# KiCad board panel.opm-inline.kicad_pcb (continued)
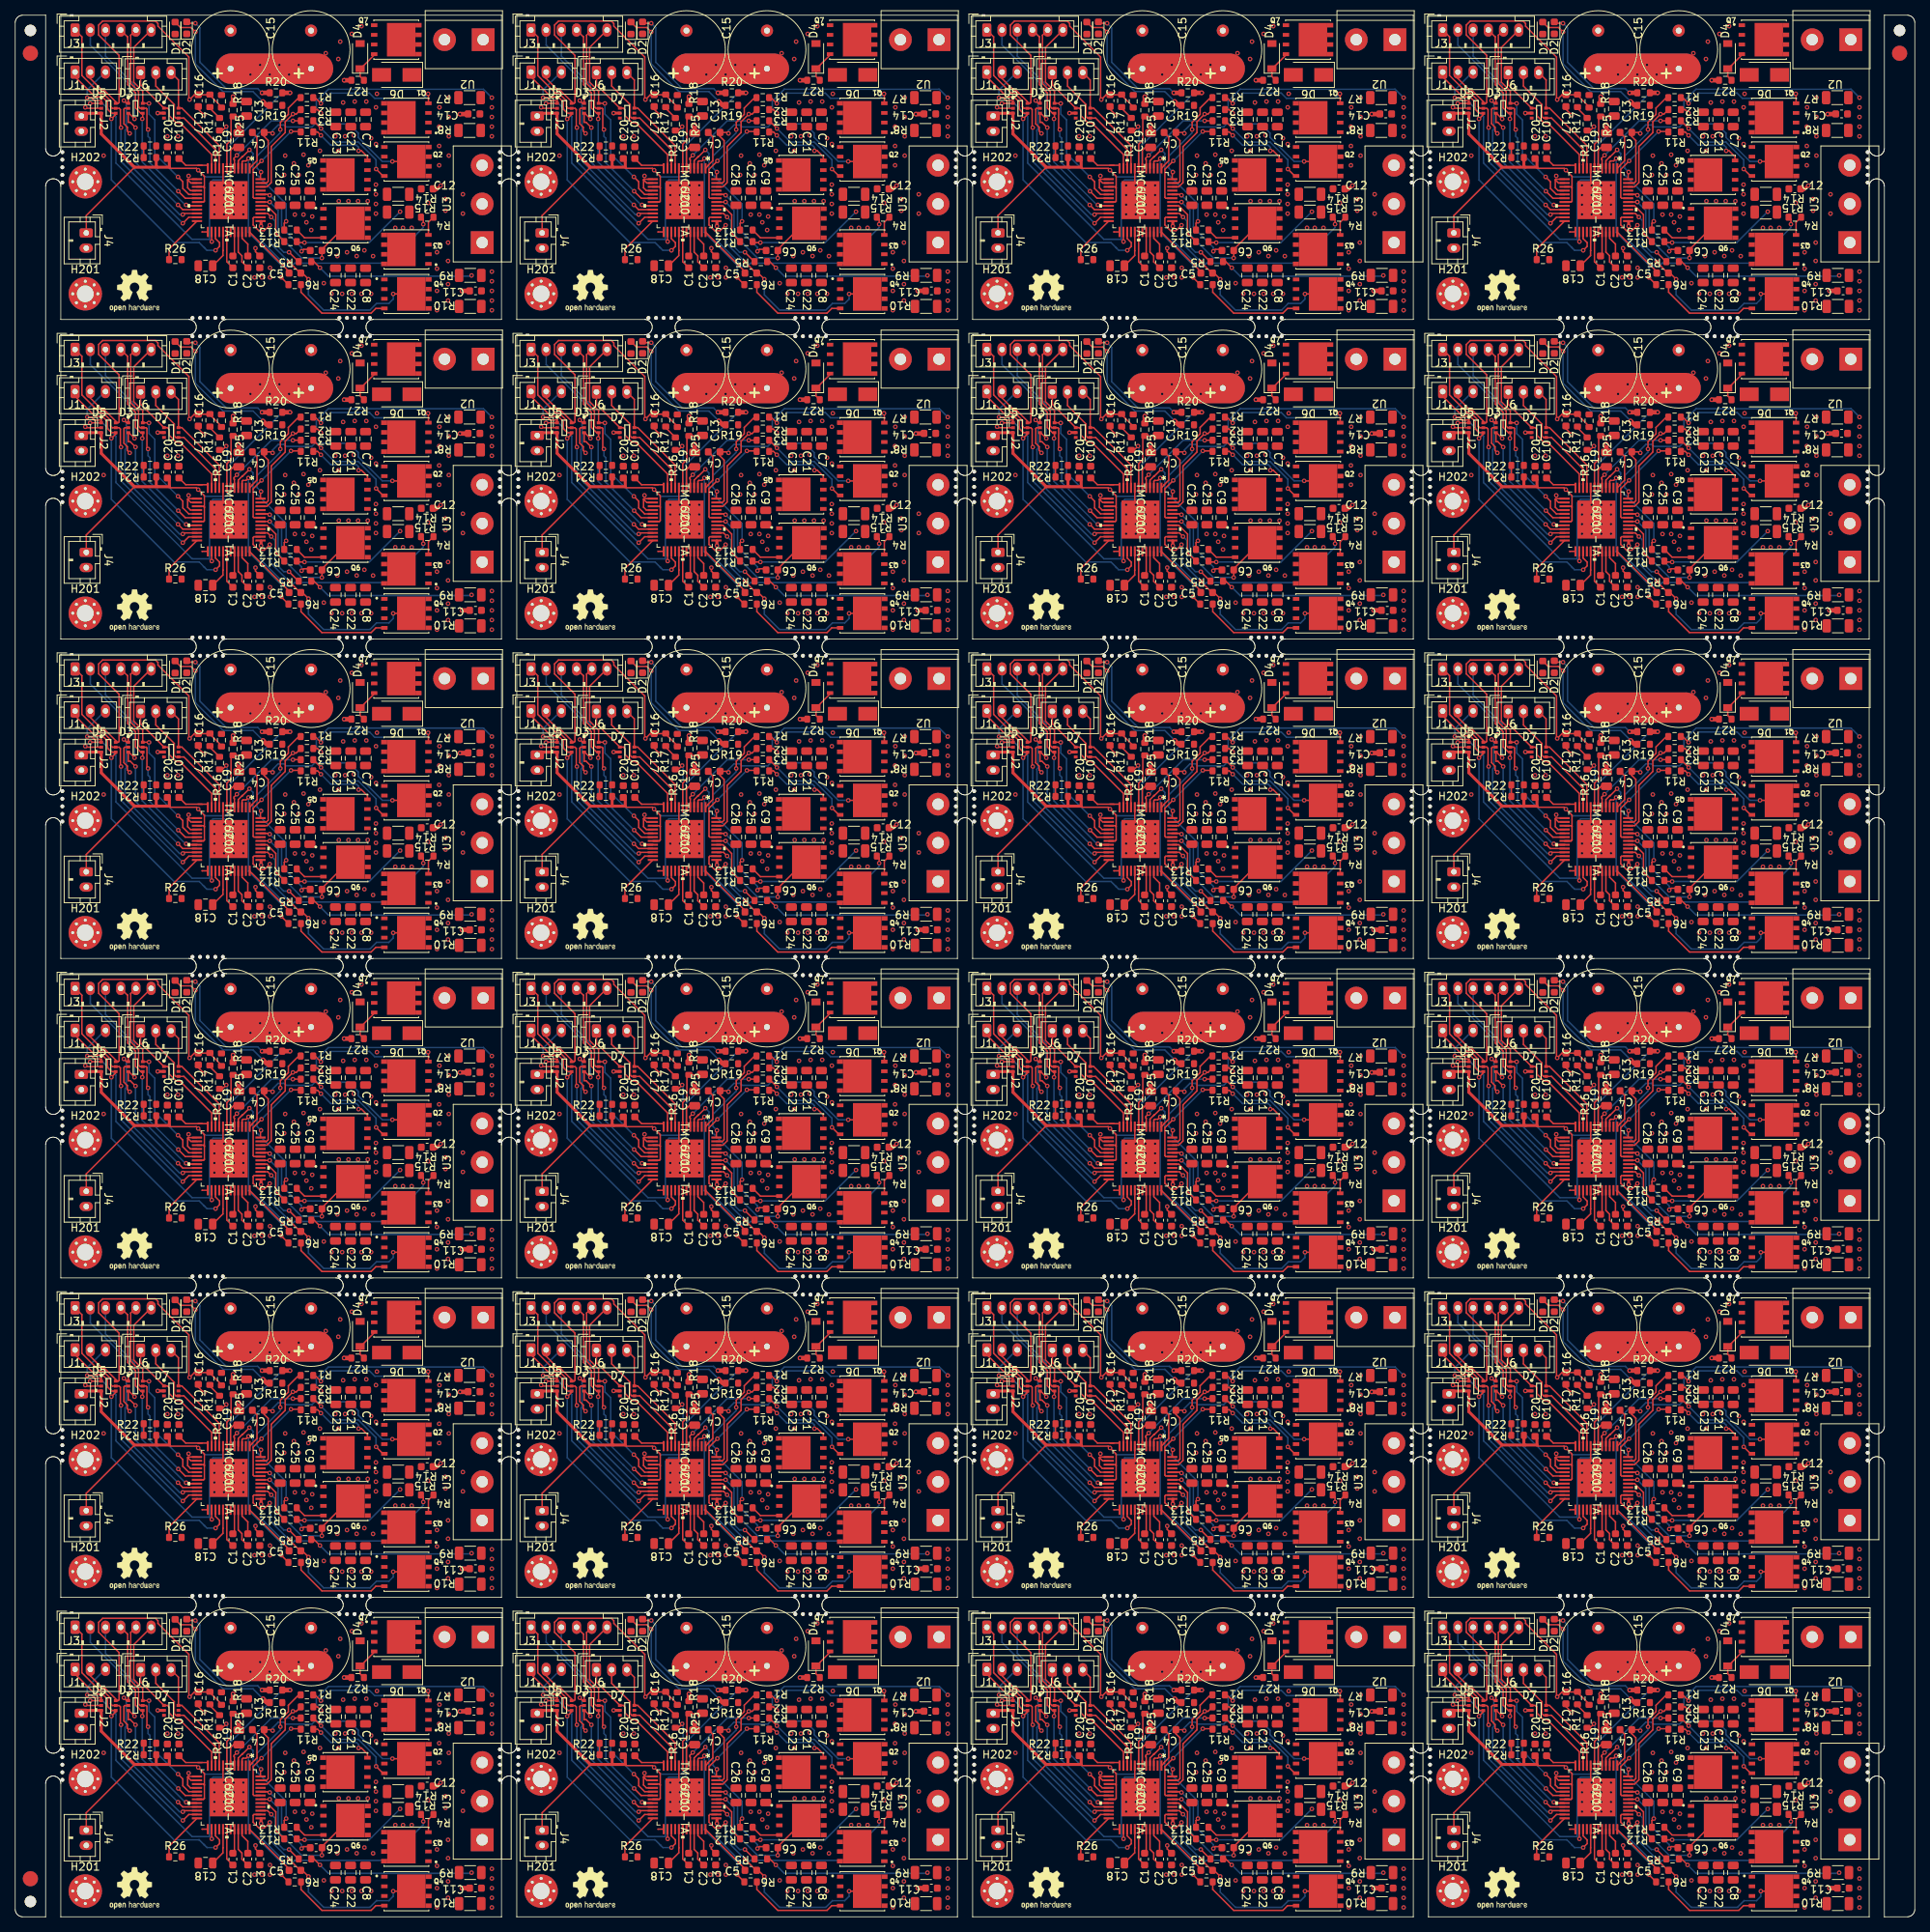
[diagram p0: board, top side]
## Placement (name value [footprint] x y rotation side) (continued)
R21#15  1000R/1%  [R_0603_1608Metric]  197.57 21.29 180 top
R21#16  1000R/1%  [R_0603_1608Metric]  197.57 147.26 180 top
R21#17  1000R/1%  [R_0603_1608Metric]  17.72 189.25 180 top
R21#18  1000R/1%  [R_0603_1608Metric]  197.57 231.24 180 top
R21#19  1000R/1%  [R_0603_1608Metric]  77.67 21.29 180 top
R21#20  1000R/1%  [R_0603_1608Metric]  17.72 21.29 180 top
R21#21  1000R/1%  [R_0603_1608Metric]  137.62 189.25 180 top
R21#22  1000R/1%  [R_0603_1608Metric]  137.62 21.29 180 top
R21#23  1000R/1%  [R_0603_1608Metric]  77.67 231.24 180 top
R21#24  1000R/1%  [R_0603_1608Metric]  17.72 147.26 180 top
R22  0R  [R_0603_1608Metric]  197.57 190.78 0 top
R22#2  0R  [R_0603_1608Metric]  17.72 232.77 0 top
R22#3  0R  [R_0603_1608Metric]  197.57 232.77 0 top
R22#4  0R  [R_0603_1608Metric]  77.67 232.77 0 top
R22#5  0R  [R_0603_1608Metric]  17.72 22.82 0 top
R22#6  0R  [R_0603_1608Metric]  77.67 64.81 0 top
R22#7  0R  [R_0603_1608Metric]  137.62 106.8 0 top
R22#8  0R  [R_0603_1608Metric]  197.57 64.81 0 top
R22#9  0R  [R_0603_1608Metric]  17.72 64.81 0 top
R22#10  0R  [R_0603_1608Metric]  137.62 22.82 0 top
R22#11  0R  [R_0603_1608Metric]  197.57 22.82 0 top
R22#12  0R  [R_0603_1608Metric]  137.62 232.77 0 top
R22#13  0R  [R_0603_1608Metric]  197.57 148.79 0 top
R22#14  0R  [R_0603_1608Metric]  77.67 190.78 0 top
R22#15  0R  [R_0603_1608Metric]  77.67 22.82 0 top
R22#16  0R  [R_0603_1608Metric]  17.72 148.79 0 top
R22#17  0R  [R_0603_1608Metric]  137.62 64.81 0 top
R22#18  0R  [R_0603_1608Metric]  137.62 148.79 0 top
R22#19  0R  [R_0603_1608Metric]  77.67 148.79 0 top
R22#20  0R  [R_0603_1608Metric]  197.57 106.8 0 top
R22#21  0R  [R_0603_1608Metric]  137.62 190.78 0 top
R22#22  0R  [R_0603_1608Metric]  77.67 106.8 0 top
R22#23  0R  [R_0603_1608Metric]  17.72 190.78 0 top
R22#24  0R  [R_0603_1608Metric]  17.72 106.8 0 top
R25  0Ω  [R_0603_1608Metric]  88.6 237.47 90 top
R25#2  0Ω  [R_0603_1608Metric]  148.55 27.51 90 top
R25#3  0Ω  [R_0603_1608Metric]  88.6 69.5 90 top
R25#4  0Ω  [R_0603_1608Metric]  208.5 237.47 90 top
R25#5  0Ω  [R_0603_1608Metric]  88.6 195.47 90 top
R25#6  0Ω  [R_0603_1608Metric]  148.55 237.47 90 top
R25#7  0Ω  [R_0603_1608Metric]  28.65 27.51 90 top
R25#8  0Ω  [R_0603_1608Metric]  28.65 153.48 90 top
R25#9  0Ω  [R_0603_1608Metric]  208.5 111.49 90 top
R25#10  0Ω  [R_0603_1608Metric]  28.65 195.47 90 top
R25#11  0Ω  [R_0603_1608Metric]  28.65 111.49 90 top
R25#12  0Ω  [R_0603_1608Metric]  208.5 195.47 90 top
R25#13  0Ω  [R_0603_1608Metric]  148.55 69.5 90 top
R25#14  0Ω  [R_0603_1608Metric]  28.65 69.5 90 top
R25#15  0Ω  [R_0603_1608Metric]  148.55 195.47 90 top
R25#16  0Ω  [R_0603_1608Metric]  88.6 27.51 90 top
R25#17  0Ω  [R_0603_1608Metric]  88.6 111.49 90 top
R25#18  0Ω  [R_0603_1608Metric]  28.65 237.47 90 top
R25#19  0Ω  [R_0603_1608Metric]  208.5 153.48 90 top
R25#20  0Ω  [R_0603_1608Metric]  208.5 69.5 90 top
R25#21  0Ω  [R_0603_1608Metric]  148.55 111.49 90 top
R25#22  0Ω  [R_0603_1608Metric]  148.55 153.48 90 top
R25#23  0Ω  [R_0603_1608Metric]  208.5 27.51 90 top
R25#24  0Ω  [R_0603_1608Metric]  88.6 153.48 90 top
R26  0R  [R_0603_1608Metric]  21.06 175.84 0 top
R26#2  0R  [R_0603_1608Metric]  21.06 49.87 0 top
R26#3  0R  [R_0603_1608Metric]  200.91 49.87 0 top
R26#4  0R  [R_0603_1608Metric]  200.91 7.88 0 top
R26#5  0R  [R_0603_1608Metric]  21.06 133.85 0 top
R26#6  0R  [R_0603_1608Metric]  81.01 133.85 0 top
R26#7  0R  [R_0603_1608Metric]  140.96 49.87 0 top
R26#8  0R  [R_0603_1608Metric]  140.96 175.84 0 top
R26#9  0R  [R_0603_1608Metric]  81.01 7.88 0 top
R26#10  0R  [R_0603_1608Metric]  81.01 175.84 0 top
R26#11  0R  [R_0603_1608Metric]  140.96 7.88 0 top
R26#12  0R  [R_0603_1608Metric]  21.06 217.83 0 top
R26#13  0R  [R_0603_1608Metric]  81.01 217.83 0 top
R26#14  0R  [R_0603_1608Metric]  21.06 91.86 0 top
R26#15  0R  [R_0603_1608Metric]  140.96 133.85 0 top
R26#16  0R  [R_0603_1608Metric]  200.91 217.83 0 top
R26#17  0R  [R_0603_1608Metric]  140.96 91.86 0 top
R26#18  0R  [R_0603_1608Metric]  200.91 175.84 0 top
R26#19  0R  [R_0603_1608Metric]  140.96 217.83 0 top
R26#20  0R  [R_0603_1608Metric]  200.91 91.86 0 top
R26#21  0R  [R_0603_1608Metric]  81.01 91.86 0 top
R26#22  0R  [R_0603_1608Metric]  21.06 7.88 0 top
R26#23  0R  [R_0603_1608Metric]  200.91 133.85 0 top
R26#24  0R  [R_0603_1608Metric]  81.01 49.87 0 top
R27  100KR  [R_0603_1608Metric]  104.98 73.44 180 top
R27#2  100KR  [R_0603_1608Metric]  224.88 31.45 180 top
R27#3  100KR  [R_0603_1608Metric]  224.88 199.41 180 top
R27#4  100KR  [R_0603_1608Metric]  164.93 157.42 180 top
R27#5  100KR  [R_0603_1608Metric]  224.88 241.4 180 top
R27#6  100KR  [R_0603_1608Metric]  164.93 199.41 180 top
R27#7  100KR  [R_0603_1608Metric]  45.03 157.42 180 top
R27#8  100KR  [R_0603_1608Metric]  45.03 199.41 180 top
R27#9  100KR  [R_0603_1608Metric]  45.03 73.44 180 top
R27#10  100KR  [R_0603_1608Metric]  164.93 115.43 180 top
R27#11  100KR  [R_0603_1608Metric]  224.88 73.44 180 top
R27#12  100KR  [R_0603_1608Metric]  224.88 157.42 180 top
R27#13  100KR  [R_0603_1608Metric]  104.98 241.4 180 top
R27#14  100KR  [R_0603_1608Metric]  45.03 31.45 180 top
R27#15  100KR  [R_0603_1608Metric]  104.98 199.41 180 top
R27#16  100KR  [R_0603_1608Metric]  164.93 241.4 180 top
R27#17  100KR  [R_0603_1608Metric]  104.98 115.43 180 top
R27#18  100KR  [R_0603_1608Metric]  164.93 31.45 180 top
R27#19  100KR  [R_0603_1608Metric]  45.03 115.43 180 top
R27#20  100KR  [R_0603_1608Metric]  45.03 241.4 180 top
R27#21  100KR  [R_0603_1608Metric]  224.88 115.43 180 top
R27#22  100KR  [R_0603_1608Metric]  104.98 157.42 180 top
R27#23  100KR  [R_0603_1608Metric]  104.98 31.45 180 top
R27#24  100KR  [R_0603_1608Metric]  164.93 73.44 180 top
REF**  -  [NPTH]  146.22 42.19 0 top
REF**#2  -  [NPTH]  26.31 123.77 0 top
REF**#3  -  [NPTH]  143.22 210.16 0 top
REF**#4  -  [NPTH]  186.06 186.96 0 top
REF**#5  -  [NPTH]  123.71 230.96 0 top
REF**#6  -  [NPTH]  186.06 185.96 0 top
REF**#7  -  [NPTH]  6.2 103.98 0 top
REF**#8  -  [NPTH]  204.17 84.18 0 top
REF**#9  -  [NPTH]  66.16 146.97 0 top
REF**#10  -  [NPTH]  143.22 123.77 0 top
REF**#11  -  [NPTH]  145.22 207.75 0 top
REF**#12  -  [NPTH]  66.16 187.96 0 top
REF**#13  -  [NPTH]  6.2 146.97 0 top
REF**#14  -  [NPTH]  87.27 42.19 0 top
REF**#15  -  [NPTH]  83.27 210.16 0 top
REF**#16  -  [NPTH]  27.31 168.16 0 top
REF**#17  -  [NPTH]  162.54 81.78 0 top
REF**#18  -  [NPTH]  105.59 123.77 0 top
REF**#19  -  [NPTH]  224.49 81.78 0 top
REF**#20  -  [NPTH]  42.63 81.78 0 top
REF**#21  -  [NPTH]  63.75 185.96 0 top
REF**#22  -  [NPTH]  225.49 84.18 0 top
REF**#23  -  [NPTH]  223.49 126.17 0 top
REF**#24  -  [NPTH]  104.59 81.78 0 top
REF**#25  -  [NPTH]  105.59 165.76 0 top
REF**#26  -  [NPTH]  63.75 229.96 0 top
REF**#27  -  [NPTH]  222.49 81.78 0 top
REF**#28  -  [NPTH]  144.22 207.75 0 top
REF**#29  -  [NPTH]  66.16 231.96 0 top
REF**#30  -  [NPTH]  105.59 84.18 0 top
REF**#31  -  [NPTH]  102.59 42.19 0 top
REF**#32  -  [NPTH]  85.27 84.18 0 top
REF**#33  -  [NPTH]  126.11 105.98 0 top
REF**#34  -  [NPTH]  123.71 227.96 0 top
REF**#35  -  [NPTH]  165.54 210.16 0 top
REF**#36  -  [NPTH]  6.2 102.98 0 top
REF**#37  -  [NPTH]  226.49 168.16 0 top
REF**#38  -  [NPTH]  166.54 210.16 0 top
REF**#39  -  [NPTH]  87.27 210.16 0 top
REF**#40  -  [NPTH]  243.61 144.97 0 top
REF**#41  -  [NPTH]  126.11 144.97 0 top
REF**#42  -  [NPTH]  83.27 39.79 0 top
REF**#43  -  [NPTH]  6.2 18 0 top
REF**#44  -  [NPTH]  26.31 81.78 0 top
REF**#45  -  [NPTH]  83.27 84.18 0 top
REF**#46  -  [NPTH]  102.59 81.78 0 top
REF**#47  -  [NPTH]  223.49 168.16 0 top
REF**#48  -  [NPTH]  104.59 123.77 0 top
REF**#49  -  [NPTH]  183.66 143.97 0 top
REF**#50  -  [NPTH]  226.49 84.18 0 top
REF**#51  -  [NPTH]  165.54 126.17 0 top
REF**#52  -  [NPTH]  144.22 123.77 0 top
REF**#53  -  [NPTH]  63.75 59.99 0 top
REF**#54  -  [NPTH]  106.59 84.18 0 top
REF**#55  -  [NPTH]  186.06 105.98 0 top
REF**#56  -  [NPTH]  103.59 81.78 0 top
REF**#57  -  [NPTH]  87.27 81.78 0 top
REF**#58  -  [NPTH]  66.16 185.96 0 top
REF**#59  -  [NPTH]  147.22 165.76 0 top
REF**#60  -  [NPTH]  186.06 144.97 0 top
REF**#61  -  [NPTH]  126.11 227.96 0 top
REF**#62  -  [NPTH]  66.16 105.98 0 top
REF**#63  -  [NPTH]  162.54 207.75 0 top
REF**#64  -  [NPTH]  183.66 101.98 0 top
REF**#65  -  [NPTH]  243.61 103.98 0 top
REF**#66  -  [NPTH]  243.61 147.97 0 top
REF**#67  -  [NPTH]  123.71 147.97 0 top
REF**#68  -  [NPTH]  123.71 102.98 0 top
REF**#69  -  [NPTH]  123.71 145.97 0 top
REF**#70  -  [NPTH]  146.22 168.16 0 top
REF**#71  -  [NPTH]  63.75 22 0 top
REF**#72  -  [NPTH]  203.17 84.18 0 top
REF**#73  -  [NPTH]  27.31 84.18 0 top
REF**#74  -  [NPTH]  126.11 63.99 0 top
REF**#75  -  [NPTH#2]  2 2 0 top
REF**#76  -  [NPTH]  83.27 42.19 0 top
REF**#77  -  [NPTH]  226.49 165.76 0 top
REF**#78  -  [NPTH]  163.54 126.17 0 top
REF**#79  -  [NPTH]  66.16 230.96 0 top
REF**#80  -  [NPTH]  224.49 39.79 0 top
REF**#81  -  [NPTH]  243.61 104.98 0 top
REF**#82  -  [NPTH]  66.16 188.96 0 top
REF**#83  -  [NPTH]  85.27 210.16 0 top
REF**#84  -  [NPTH]  164.54 42.19 0 top
REF**#85  -  [NPTH]  106.59 81.78 0 top
REF**#86  -  [NPTH]  183.66 229.96 0 top
REF**#87  -  [NPTH]  243.61 229.96 0 top
REF**#88  -  [NPTH]  146.22 123.77 0 top
REF**#89  -  [NPTH]  186.06 21 0 top
REF**#90  -  [NPTH]  45.63 42.19 0 top
REF**#91  -  [NPTH#2]  2 247.95 0 top
REF**#92  -  [NPTH]  84.27 81.78 0 top
REF**#93  -  [NPTH]  147.22 81.78 0 top
REF**#94  -  [NPTH]  165.54 81.78 0 top
REF**#95  -  [NPTH]  163.54 123.77 0 top
REF**#96  -  [NPTH]  163.54 165.76 0 top
REF**#97  -  [NPTH]  164.54 123.77 0 top
REF**#98  -  [NPTH]  103.59 168.16 0 top
REF**#99  -  [NPTH]  126.11 147.97 0 top
REF**#100  -  [NPTH]  126.11 61.99 0 top
REF**#101  -  [NPTH]  207.17 42.19 0 top
REF**#102  -  [NPTH]  123.71 143.97 0 top
REF**#103  -  [NPTH]  164.54 81.78 0 top
REF**#104  -  [NPTH]  6.2 227.96 0 top
REF**#105  -  [NPTH]  164.54 39.79 0 top
REF**#106  -  [NPTH]  63.75 230.96 0 top
REF**#107  -  [NPTH]  206.17 165.76 0 top
REF**#108  -  [NPTH]  243.61 61.99 0 top
REF**#109  -  [NPTH]  25.31 42.19 0 top
REF**#110  -  [NPTH]  25.31 165.76 0 top
REF**#111  -  [NPTH]  146.22 81.78 0 top
REF**#112  -  [NPTH]  43.63 84.18 0 top
REF**#113  -  [NPTH]  183.66 63.99 0 top
REF**#114  -  [NPTH]  63.75 62.99 0 top
REF**#115  -  [NPTH]  42.63 168.16 0 top
REF**#116  -  [NPTH]  206.17 126.17 0 top
REF**#117  -  [NPTH]  6.2 231.96 0 top
REF**#118  -  [NPTH]  63.75 104.98 0 top
REF**#119  -  [NPTH]  207.17 210.16 0 top
REF**#120  -  [NPTH]  147.22 123.77 0 top
REF**#121  -  [NPTH]  87.27 84.18 0 top
REF**#122  -  [NPTH]  84.27 42.19 0 top
REF**#123  -  [NPTH]  243.61 188.96 0 top
REF**#124  -  [NPTH]  223.49 84.18 0 top
REF**#125  -  [NPTH]  223.49 123.77 0 top
REF**#126  -  [NPTH]  87.27 165.76 0 top
REF**#127  -  [NPTH]  145.22 84.18 0 top
REF**#128  -  [NPTH]  46.63 165.76 0 top
REF**#129  -  [NPTH]  162.54 126.17 0 top
REF**#130  -  [NPTH]  163.54 210.16 0 top
REF**#131  -  [NPTH]  42.63 42.19 0 top
REF**#132  -  [NPTH]  24.31 207.75 0 top
REF**#133  -  [NPTH]  147.22 168.16 0 top
REF**#134  -  [NPTH]  186.06 63.99 0 top
REF**#135  -  [NPTH]  126.11 104.98 0 top
REF**#136  -  [NPTH]  165.54 168.16 0 top
REF**#137  -  [NPTH]  223.49 207.75 0 top
REF**#138  -  [NPTH]  186.06 228.96 0 top
REF**#139  -  [NPTH]  105.59 168.16 0 top
REF**#140  -  [NPTH]  106.59 126.17 0 top
REF**#141  -  [NPTH]  126.11 146.97 0 top
REF**#142  -  [NPTH]  243.61 22 0 top
REF**#143  -  [NPTH]  44.63 126.17 0 top
REF**#144  -  [NPTH]  147.22 42.19 0 top
REF**#145  -  [NPTH]  42.63 39.79 0 top
REF**#146  -  [NPTH]  102.59 168.16 0 top
REF**#147  -  [NPTH]  145.22 165.76 0 top
REF**#148  -  [NPTH]  243.61 189.96 0 top
REF**#149  -  [NPTH]  6.2 101.98 0 top
REF**#150  -  [NPTH]  44.63 42.19 0 top
REF**#151  -  [NPTH]  87.27 168.16 0 top
REF**#152  -  [NPTH]  123.71 19 0 top
REF**#153  -  [NPTH]  205.17 207.75 0 top
REF**#154  -  [NPTH]  166.54 165.76 0 top
REF**#155  -  [NPTH]  186.06 229.96 0 top
REF**#156  -  [NPTH]  205.17 84.18 0 top
REF**#157  -  [NPTH]  103.59 126.17 0 top
REF**#158  -  [NPTH]  243.61 101.98 0 top
REF**#159  -  [NPTH]  146.22 84.18 0 top
REF**#160  -  [NPTH]  243.61 18 0 top
REF**#161  -  [NPTH]  204.17 210.16 0 top
REF**#162  -  [NPTH]  205.17 81.78 0 top
REF**#163  -  [NPTH]  86.27 168.16 0 top
REF**#164  -  [NPTH#2]  247.8 247.95 0 top
REF**#165  -  [NPTH]  186.06 19 0 top
REF**#166  -  [NPTH]  24.31 165.76 0 top
REF**#167  -  [NPTH]  66.16 18 0 top
REF**#168  -  [NPTH]  123.71 231.96 0 top
REF**#169  -  [NPTH]  224.49 168.16 0 top
REF**#170  -  [NPTH]  23.31 207.75 0 top
REF**#171  -  [NPTH]  102.59 165.76 0 top
REF**#172  -  [NPTH]  66.16 227.96 0 top
REF**#173  -  [NPTH]  43.63 165.76 0 top
REF**#174  -  [NPTH]  6.2 186.96 0 top
REF**#175  -  [NPTH]  87.27 123.77 0 top
REF**#176  -  [NPTH]  104.59 126.17 0 top
REF**#177  -  [NPTH]  66.16 147.97 0 top
REF**#178  -  [NPTH]  66.16 19 0 top
REF**#179  -  [NPTH]  163.54 168.16 0 top
REF**#180  -  [NPTH]  183.66 230.96 0 top
REF**#181  -  [NPTH]  126.11 186.96 0 top
REF**#182  -  [NPTH]  6.2 20 0 top
REF**#183  -  [NPTH]  6.2 61.99 0 top
REF**#184  -  [NPTH]  144.22 39.79 0 top
REF**#185  -  [NPTH]  183.66 59.99 0 top
REF**#186  -  [NPTH]  84.27 126.17 0 top
REF**#187  -  [NPTH]  163.54 81.78 0 top
REF**#188  -  [NPTH]  85.27 81.78 0 top
REF**#189  -  [NPTH]  186.06 231.96 0 top
REF**#190  -  [NPTH]  83.27 123.77 0 top
REF**#191  -  [NPTH]  225.49 210.16 0 top
REF**#192  -  [NPTH]  6.2 105.98 0 top
REF**#193  -  [NPTH]  224.49 165.76 0 top
REF**#194  -  [NPTH]  166.54 207.75 0 top
REF**#195  -  [NPTH]  186.06 61.99 0 top
REF**#196  -  [NPTH]  146.22 207.75 0 top
REF**#197  -  [NPTH]  186.06 101.98 0 top
REF**#198  -  [NPTH]  123.71 20 0 top
REF**#199  -  [NPTH]  86.27 207.75 0 top
REF**#200  -  [NPTH]  63.75 19 0 top
REF**#201  -  [NPTH]  104.59 207.75 0 top
REF**#202  -  [NPTH]  204.17 207.75 0 top
REF**#203  -  [NPTH]  66.16 144.97 0 top
REF**#204  -  [NPTH]  25.31 210.16 0 top
REF**#205  -  [NPTH]  6.2 144.97 0 top
REF**#206  -  [NPTH]  223.49 81.78 0 top
REF**#207  -  [NPTH]  63.75 20 0 top
REF**#208  -  [NPTH]  126.11 188.96 0 top
REF**#209  -  [NPTH]  26.31 126.17 0 top
REF**#210  -  [NPTH]  106.59 165.76 0 top
REF**#211  -  [NPTH]  164.54 126.17 0 top
REF**#212  -  [NPTH]  243.61 230.96 0 top
REF**#213  -  [NPTH]  44.63 168.16 0 top
REF**#214  -  [NPTH]  226.49 210.16 0 top
REF**#215  -  [NPTH]  23.31 42.19 0 top
REF**#216  -  [Fiducial]  247.8 244.95 0 top
REF**#217  -  [NPTH]  143.22 39.79 0 top
REF**#218  -  [NPTH]  165.54 42.19 0 top
REF**#219  -  [NPTH]  162.54 165.76 0 top
REF**#220  -  [NPTH]  183.66 19 0 top
REF**#221  -  [NPTH]  45.63 123.77 0 top
REF**#222  -  [NPTH]  223.49 39.79 0 top
REF**#223  -  [NPTH]  26.31 207.75 0 top
REF**#224  -  [NPTH]  66.16 145.97 0 top
REF**#225  -  [NPTH]  44.63 207.75 0 top
REF**#226  -  [NPTH]  25.31 168.16 0 top
REF**#227  -  [NPTH]  225.49 168.16 0 top
REF**#228  -  [NPTH]  203.17 39.79 0 top
REF**#229  -  [NPTH]  84.27 123.77 0 top
REF**#230  -  [NPTH]  23.31 168.16 0 top
REF**#231  -  [NPTH]  224.49 210.16 0 top
REF**#232  -  [NPTH]  203.17 123.77 0 top
REF**#233  -  [NPTH]  183.66 145.97 0 top
REF**#234  -  [NPTH]  166.54 126.17 0 top
REF**#235  -  [NPTH]  106.59 39.79 0 top
REF**#236  -  [NPTH]  126.11 19 0 top
REF**#237  -  [NPTH]  207.17 126.17 0 top
REF**#238  -  [NPTH]  123.71 21 0 top
REF**#239  -  [NPTH]  225.49 126.17 0 top
REF**#240  -  [NPTH]  143.22 42.19 0 top
REF**#241  -  [NPTH]  103.59 39.79 0 top
REF**#242  -  [NPTH]  104.59 84.18 0 top
REF**#243  -  [NPTH]  102.59 84.18 0 top
REF**#244  -  [NPTH]  105.59 81.78 0 top
REF**#245  -  [NPTH]  105.59 210.16 0 top
REF**#246  -  [NPTH]  46.63 207.75 0 top
REF**#247  -  [NPTH]  186.06 230.96 0 top
REF**#248  -  [NPTH]  45.63 126.17 0 top
REF**#249  -  [NPTH]  243.61 186.96 0 top
REF**#250  -  [NPTH]  226.49 207.75 0 top
REF**#251  -  [NPTH]  186.06 18 0 top
REF**#252  -  [NPTH]  106.59 123.77 0 top
REF**#253  -  [NPTH]  86.27 126.17 0 top
REF**#254  -  [NPTH]  126.11 18 0 top
REF**#255  -  [NPTH]  205.17 210.16 0 top
REF**#256  -  [NPTH]  42.63 207.75 0 top
REF**#257  -  [NPTH]  146.22 165.76 0 top
REF**#258  -  [NPTH]  207.17 207.75 0 top
REF**#259  -  [NPTH]  104.59 39.79 0 top
REF**#260  -  [NPTH]  42.63 126.17 0 top
REF**#261  -  [NPTH]  226.49 39.79 0 top
REF**#262  -  [NPTH]  126.11 101.98 0 top
REF**#263  -  [NPTH]  6.2 19 0 top
REF**#264  -  [NPTH]  6.2 147.97 0 top
REF**#265  -  [NPTH]  144.22 42.19 0 top
REF**#266  -  [NPTH]  205.17 126.17 0 top
REF**#267  -  [NPTH]  126.11 60.99 0 top
REF**#268  -  [NPTH]  123.71 144.97 0 top
REF**#269  -  [NPTH]  27.31 165.76 0 top
REF**#270  -  [NPTH]  6.2 229.96 0 top
REF**#271  -  [NPTH]  6.2 189.96 0 top
REF**#272  -  [NPTH]  145.22 123.77 0 top
REF**#273  -  [NPTH]  105.59 126.17 0 top
REF**#274  -  [NPTH]  222.49 210.16 0 top
REF**#275  -  [NPTH]  23.31 123.77 0 top
REF**#276  -  [NPTH]  86.27 84.18 0 top
REF**#277  -  [NPTH]  63.75 186.96 0 top
REF**#278  -  [Fiducial]  2 5 0 top
REF**#279  -  [NPTH]  83.27 168.16 0 top
REF**#280  -  [NPTH]  162.54 123.77 0 top
REF**#281  -  [NPTH]  45.63 168.16 0 top
REF**#282  -  [NPTH]  66.16 63.99 0 top
REF**#283  -  [NPTH]  143.22 84.18 0 top
REF**#284  -  [NPTH]  126.11 20 0 top
REF**#285  -  [NPTH]  165.54 123.77 0 top
REF**#286  -  [NPTH]  243.61 146.97 0 top
REF**#287  -  [NPTH]  6.2 185.96 0 top
REF**#288  -  [NPTH]  186.06 147.97 0 top
REF**#289  -  [NPTH]  183.66 146.97 0 top
REF**#290  -  [NPTH]  84.27 210.16 0 top
REF**#291  -  [NPTH]  147.22 210.16 0 top
REF**#292  -  [NPTH]  63.75 21 0 top
REF**#293  -  [NPTH]  126.11 59.99 0 top
REF**#294  -  [NPTH]  43.63 207.75 0 top
REF**#295  -  [NPTH]  85.27 207.75 0 top
REF**#296  -  [NPTH]  166.54 123.77 0 top
REF**#297  -  [NPTH]  66.16 143.97 0 top
REF**#298  -  [NPTH]  186.06 62.99 0 top
REF**#299  -  [NPTH]  183.66 188.96 0 top
REF**#300  -  [NPTH]  123.71 188.96 0 top
REF**#301  -  [NPTH]  46.63 168.16 0 top
REF**#302  -  [NPTH]  87.27 126.17 0 top
REF**#303  -  [NPTH]  206.17 81.78 0 top
REF**#304  -  [NPTH]  205.17 168.16 0 top
REF**#305  -  [NPTH]  123.71 228.96 0 top
REF**#306  -  [NPTH]  203.17 81.78 0 top
REF**#307  -  [NPTH]  222.49 165.76 0 top
REF**#308  -  [NPTH]  66.16 228.96 0 top
REF**#309  -  [NPTH]  186.06 145.97 0 top
REF**#310  -  [NPTH]  145.22 210.16 0 top
REF**#311  -  [NPTH]  42.63 210.16 0 top
REF**#312  -  [NPTH]  204.17 168.16 0 top
REF**#313  -  [NPTH]  243.61 187.96 0 top
REF**#314  -  [NPTH]  123.71 59.99 0 top
REF**#315  -  [NPTH]  126.11 185.96 0 top
REF**#316  -  [NPTH]  26.31 168.16 0 top
REF**#317  -  [NPTH]  126.11 145.97 0 top
REF**#318  -  [NPTH]  103.59 210.16 0 top
REF**#319  -  [NPTH]  207.17 39.79 0 top
REF**#320  -  [NPTH]  104.59 210.16 0 top
REF**#321  -  [NPTH]  162.54 84.18 0 top
REF**#322  -  [NPTH]  86.27 123.77 0 top
REF**#323  -  [NPTH]  103.59 84.18 0 top
REF**#324  -  [NPTH]  183.66 60.99 0 top
REF**#325  -  [NPTH]  186.06 103.98 0 top
REF**#326  -  [NPTH]  226.49 126.17 0 top
REF**#327  -  [NPTH]  27.31 126.17 0 top
REF**#328  -  [NPTH]  27.31 42.19 0 top
REF**#329  -  [NPTH]  186.06 104.98 0 top
REF**#330  -  [NPTH]  206.17 39.79 0 top
REF**#331  -  [NPTH]  183.66 187.96 0 top
REF**#332  -  [NPTH]  123.71 189.96 0 top
REF**#333  -  [NPTH]  104.59 165.76 0 top
REF**#334  -  [NPTH]  63.75 146.97 0 top
REF**#335  -  [NPTH]  183.66 186.96 0 top
REF**#336  -  [NPTH]  42.63 123.77 0 top
REF**#337  -  [NPTH]  46.63 123.77 0 top
REF**#338  -  [NPTH]  66.16 22 0 top
REF**#339  -  [NPTH]  145.22 42.19 0 top
REF**#340  -  [NPTH]  144.22 84.18 0 top
REF**#341  -  [NPTH]  243.61 105.98 0 top
REF**#342  -  [NPTH]  83.27 126.17 0 top
REF**#343  -  [NPTH]  166.54 81.78 0 top
REF**#344  -  [NPTH]  243.61 19 0 top
REF**#345  -  [NPTH]  145.22 39.79 0 top
REF**#346  -  [NPTH]  23.31 39.79 0 top
REF**#347  -  [NPTH]  186.06 146.97 0 top
REF**#348  -  [NPTH]  85.27 165.76 0 top
REF**#349  -  [NPTH]  206.17 210.16 0 top
REF**#350  -  [NPTH]  183.66 227.96 0 top
REF**#351  -  [NPTH]  44.63 123.77 0 top
REF**#352  -  [NPTH]  66.16 102.98 0 top
REF**#353  -  [NPTH]  44.63 39.79 0 top
REF**#354  -  [NPTH]  6.2 104.98 0 top
REF**#355  -  [NPTH]  222.49 39.79 0 top
REF**#356  -  [NPTH]  164.54 207.75 0 top
REF**#357  -  [NPTH]  126.11 230.96 0 top
REF**#358  -  [NPTH]  222.49 123.77 0 top
REF**#359  -  [NPTH]  84.27 207.75 0 top
REF**#360  -  [NPTH]  24.31 210.16 0 top
REF**#361  -  [NPTH]  87.27 39.79 0 top
REF**#362  -  [NPTH]  226.49 42.19 0 top
REF**#363  -  [NPTH]  207.17 165.76 0 top
REF**#364  -  [NPTH]  45.63 81.78 0 top
REF**#365  -  [NPTH]  66.16 61.99 0 top
REF**#366  -  [NPTH]  165.54 39.79 0 top
REF**#367  -  [NPTH]  45.63 39.79 0 top
REF**#368  -  [NPTH]  6.2 59.99 0 top
REF**#369  -  [NPTH]  86.27 42.19 0 top
REF**#370  -  [NPTH]  243.61 59.99 0 top
REF**#371  -  [NPTH]  66.16 229.96 0 top
REF**#372  -  [NPTH]  102.59 126.17 0 top
REF**#373  -  [NPTH]  204.17 123.77 0 top
REF**#374  -  [NPTH]  24.31 123.77 0 top
REF**#375  -  [NPTH]  46.63 126.17 0 top
REF**#376  -  [NPTH]  103.59 42.19 0 top
REF**#377  -  [NPTH]  85.27 168.16 0 top
REF**#378  -  [NPTH]  24.31 39.79 0 top
REF**#379  -  [NPTH]  6.2 21 0 top
REF**#380  -  [NPTH]  126.11 62.99 0 top
REF**#381  -  [NPTH]  147.22 207.75 0 top
REF**#382  -  [NPTH]  45.63 84.18 0 top
REF**#383  -  [NPTH]  103.59 165.76 0 top
REF**#384  -  [NPTH]  25.31 126.17 0 top
REF**#385  -  [NPTH]  143.22 81.78 0 top
REF**#386  -  [NPTH]  186.06 189.96 0 top
REF**#387  -  [NPTH]  144.22 210.16 0 top
REF**#388  -  [NPTH]  6.2 60.99 0 top
REF**#389  -  [NPTH]  144.22 165.76 0 top
REF**#390  -  [NPTH]  66.16 101.98 0 top
REF**#391  -  [NPTH]  224.49 84.18 0 top
REF**#392  -  [NPTH]  24.31 126.17 0 top
REF**#393  -  [NPTH]  43.63 210.16 0 top
REF**#394  -  [NPTH]  25.31 123.77 0 top
REF**#395  -  [NPTH]  6.2 63.99 0 top
REF**#396  -  [NPTH]  24.31 42.19 0 top
REF**#397  -  [NPTH]  44.63 165.76 0 top
REF**#398  -  [NPTH]  84.27 165.76 0 top
REF**#399  -  [NPTH]  203.17 126.17 0 top
REF**#400  -  [NPTH]  146.22 39.79 0 top
REF**#401  -  [NPTH]  186.06 143.97 0 top
REF**#402  -  [NPTH]  222.49 42.19 0 top
REF**#403  -  [NPTH]  143.22 126.17 0 top
REF**#404  -  [NPTH]  6.2 228.96 0 top
REF**#405  -  [NPTH]  63.75 189.96 0 top
REF**#406  -  [NPTH]  63.75 103.98 0 top
REF**#407  -  [NPTH]  23.31 165.76 0 top
REF**#408  -  [NPTH]  86.27 165.76 0 top
REF**#409  -  [NPTH]  86.27 39.79 0 top
REF**#410  -  [NPTH]  84.27 39.79 0 top
REF**#411  -  [NPTH]  63.75 231.96 0 top
REF**#412  -  [NPTH]  145.22 168.16 0 top
REF**#413  -  [NPTH]  226.49 81.78 0 top
REF**#414  -  [NPTH]  166.54 168.16 0 top
REF**#415  -  [NPTH]  83.27 81.78 0 top
REF**#416  -  [NPTH]  26.31 165.76 0 top
REF**#417  -  [NPTH]  145.22 126.17 0 top
REF**#418  -  [NPTH]  66.16 103.98 0 top
REF**#419  -  [NPTH]  42.63 165.76 0 top
REF**#420  -  [NPTH]  225.49 39.79 0 top
REF**#421  -  [NPTH]  43.63 126.17 0 top
REF**#422  -  [NPTH]  186.06 188.96 0 top
REF**#423  -  [NPTH]  27.31 207.75 0 top
REF**#424  -  [NPTH]  45.63 165.76 0 top
REF**#425  -  [NPTH]  63.75 60.99 0 top
REF**#426  -  [NPTH]  45.63 210.16 0 top
REF**#427  -  [NPTH]  203.17 42.19 0 top
REF**#428  -  [NPTH]  165.54 207.75 0 top
REF**#429  -  [NPTH]  26.31 39.79 0 top
REF**#430  -  [NPTH]  105.59 42.19 0 top
REF**#431  -  [NPTH]  63.75 187.96 0 top
REF**#432  -  [NPTH]  222.49 207.75 0 top
REF**#433  -  [NPTH]  243.61 185.96 0 top
REF**#434  -  [NPTH]  85.27 123.77 0 top
REF**#435  -  [NPTH]  226.49 123.77 0 top
REF**#436  -  [NPTH]  102.59 210.16 0 top
REF**#437  -  [NPTH]  205.17 165.76 0 top
REF**#438  -  [NPTH]  84.27 168.16 0 top
REF**#439  -  [NPTH]  46.63 39.79 0 top
REF**#440  -  [NPTH]  63.75 101.98 0 top
REF**#441  -  [NPTH]  243.61 228.96 0 top
REF**#442  -  [NPTH]  143.22 165.76 0 top
REF**#443  -  [NPTH]  23.31 81.78 0 top
REF**#444  -  [NPTH]  123.71 101.98 0 top
REF**#445  -  [NPTH]  204.17 42.19 0 top
REF**#446  -  [NPTH]  164.54 84.18 0 top
REF**#447  -  [NPTH]  206.17 42.19 0 top
REF**#448  -  [NPTH]  86.27 81.78 0 top
REF**#449  -  [NPTH]  6.2 145.97 0 top
REF**#450  -  [NPTH]  144.22 126.17 0 top
REF**#451  -  [NPTH]  43.63 168.16 0 top
REF**#452  -  [NPTH]  83.27 207.75 0 top
REF**#453  -  [NPTH]  186.06 59.99 0 top
REF**#454  -  [NPTH]  23.31 84.18 0 top
REF**#455  -  [NPTH]  123.71 18 0 top
REF**#456  -  [NPTH]  106.59 210.16 0 top
REF**#457  -  [NPTH]  204.17 126.17 0 top
REF**#458  -  [NPTH]  163.54 39.79 0 top
REF**#459  -  [NPTH]  183.66 21 0 top
REF**#460  -  [NPTH]  102.59 207.75 0 top
REF**#461  -  [NPTH]  225.49 123.77 0 top
REF**#462  -  [NPTH]  123.71 186.96 0 top
REF**#463  -  [NPTH]  163.54 207.75 0 top
REF**#464  -  [NPTH]  103.59 123.77 0 top
REF**#465  -  [NPTH]  146.22 126.17 0 top
REF**#466  -  [NPTH]  66.16 21 0 top
REF**#467  -  [NPTH]  26.31 42.19 0 top
REF**#468  -  [NPTH]  147.22 39.79 0 top
REF**#469  -  [NPTH]  186.06 20 0 top
REF**#470  -  [NPTH]  207.17 84.18 0 top
REF**#471  -  [NPTH]  123.71 229.96 0 top
REF**#472  -  [NPTH]  43.63 39.79 0 top